# KiCad board PROC099A_PCB.kicad_pcb (continued)
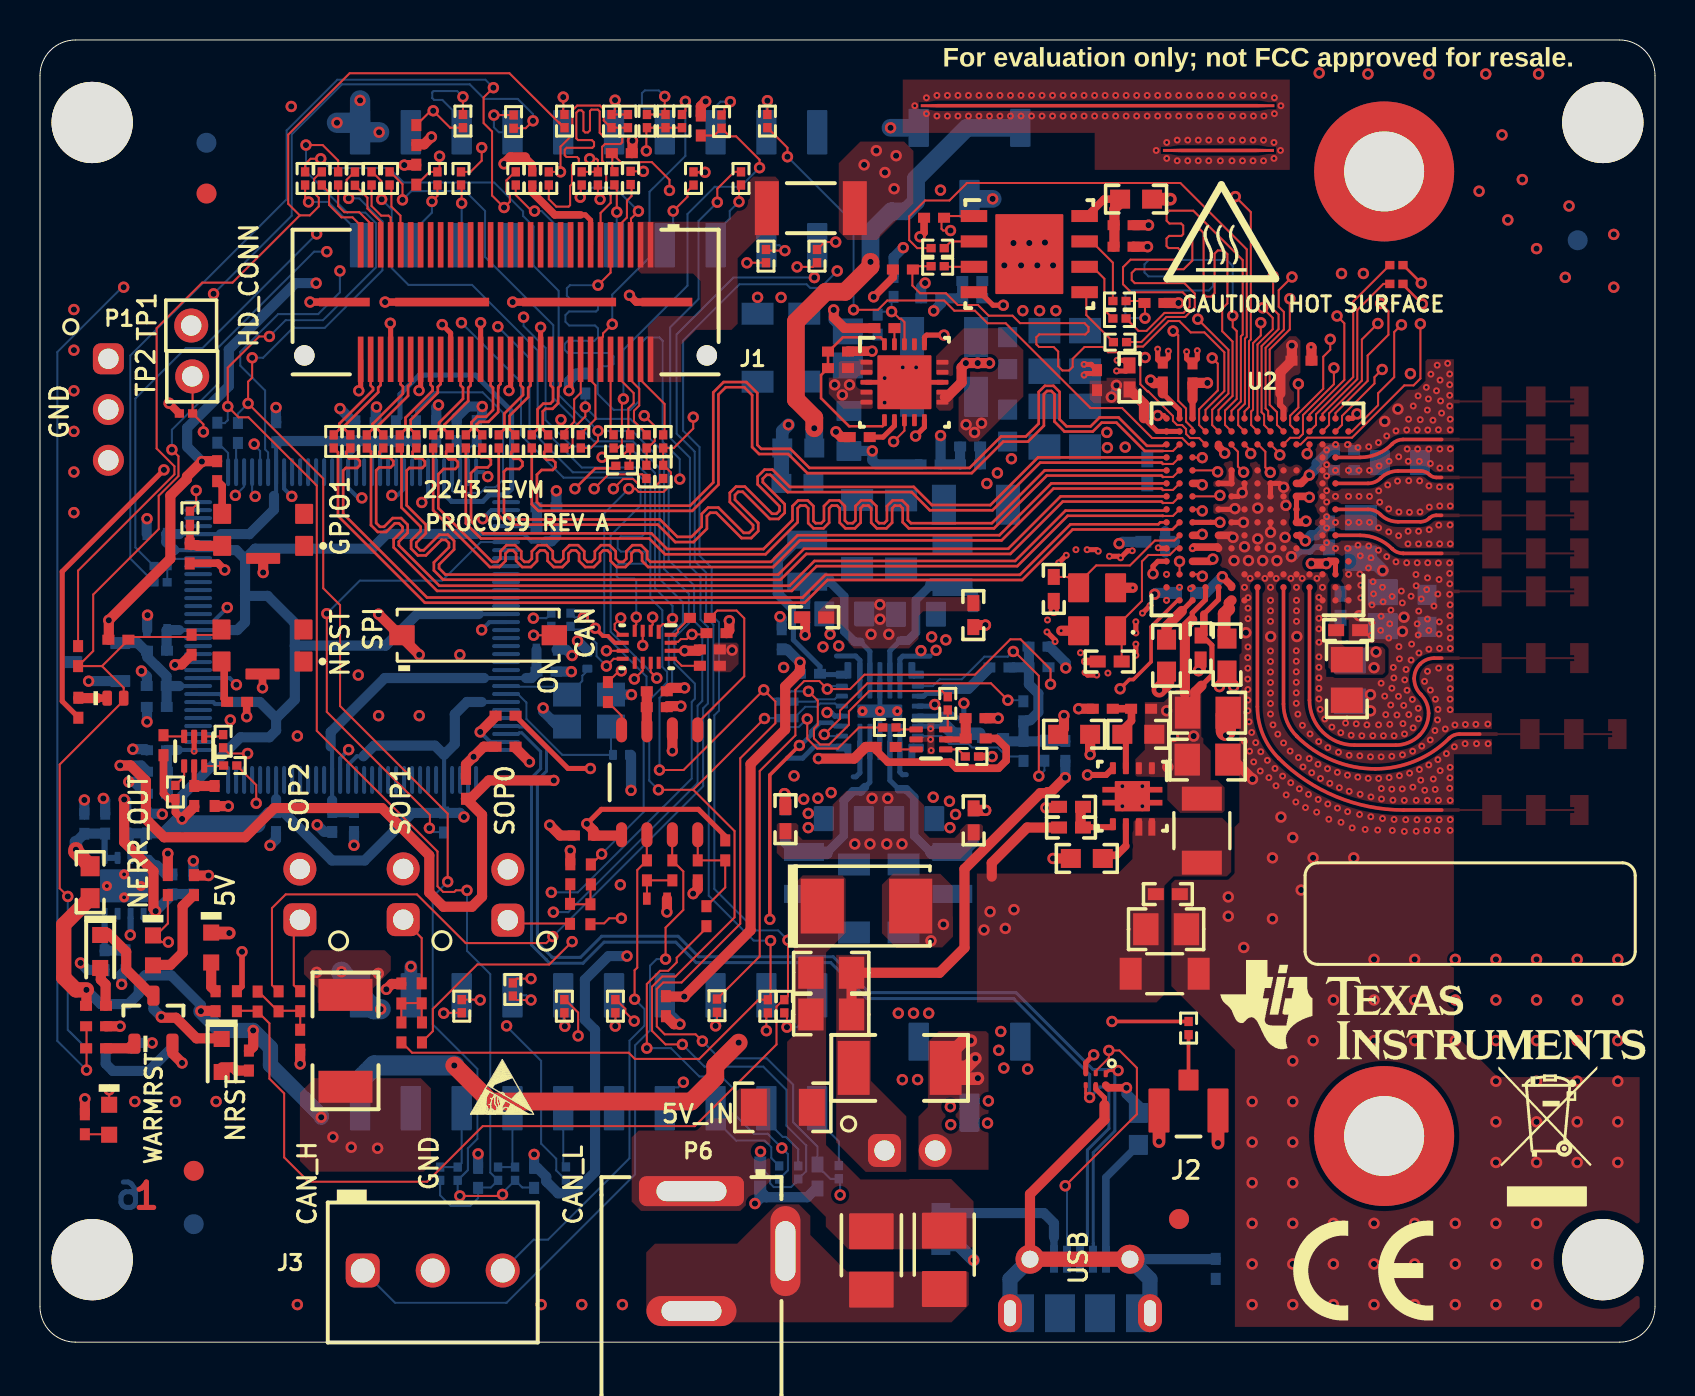
[diagram p0: board, top side]
## Routing (per net, layer and track width the routed paths; a pad name or vN(x,y) marks a point on that pad's centre or on a via; arc(x,y) is an arc through that point) (continued)
VBUS_1_DETECT: length 3.8
  BOTTOM w0.203: 6.89,29.63 U6.1
  BOTTOM w0.508: 6.33,27.44 6.33,28.54 6.34,28.55 6.34,29.62 6.35,29.63 6.89,29.63
VDDC_1: length 17.8
  BOTTOM w0.203: 14.61,27.12 14.61,29.73 14.54,29.8 ; 22.21,33.23 24.31,33.23
  BOTTOM w0.508: 14.61,27.12 14.61,26.52 14.62,26.52 15.71,26.52 ; 24.31,33.23 24.58,33.23 24.83,33.48 C64.2 24.83,34.64 ; 14.54,29.8 14.54,30.52 17.24,33.23 22.21,33.23
AR_1P3_RF1: length 3.4
  TOP w0.254: U2.G5 U2.J5
  TOP w0.381: U2.J5 63.44,42.32 v1(63.48,42.27) ; v1(63.32,41.08) 63.25,41.02 U2.G5
  BOTTOM w0.508: R131.2 47.02,43.92 C46.2
  vias: v1(46.32,45.91) v1(46.74,45.51) v1(47.09,45.98)
AR_1P3_RF2: length 5.3
  TOP w0.254: U2.C2 U2.D2
  TOP w0.381: U2.D2 64.45,39.07 v1(64.34,38.95)
  TOP w0.508: v1(63.58,38.96) 63.59,38.95 v1(64.34,38.95) ; 45.25,47.28 45.35,47.28 46.09,48.02 46.09,48.77 v1(46.31,48.99) v1(46.9,48.99) v1(47.49,48.99)
AR_1V2: length 12.5
  TOP w0.254: 56.99,45.57 55.88,45.57 55.21,46.23 ; 56.99,46.22 56.99,46.64 56.15,47.47
  TOP w0.305: 62.19,46.22 62.19,46.72 62.02,46.89 62.02,47.45 62.03,47.46
  TOP w0.381: U2.F13 58.08,40.37 v1(58.13,40.42) ; 58.94,44.92 58.94,44.81 59.25,44.5 v1(59.25,44.48)
  TOP w0.508: 62.61,49.86 62.61,49.11 62.03,48.53 62.03,47.46 ; 62.61,49.86 v1(62.6,49.86) ; 62.61,49.86 62.66,49.86 ; 56.15,47.47 C4.1 56.09,47.99 55.7,47.98 v1(55.54,48.13) ; 54.49,47.78 C6.1 55.21,46.94 55.21,46.23
  BOTTOM w0.508: v1(53.58,47.28) 53.84,47.53 v1(53.84,47.87)
  vias: v1(47.36,42.96) v1(47.88,43.49)
AR_1V4_APLL: length 2.1
  TOP w0.508: U2.A10 59.46,36.98 59.46,36.68
  TOP w0.635: 59.46,36.68 59.22,36.45 59.22,35.34 C13.1
AR_1V4_SYNTH: length 2.5
  TOP w0.254: 57.11,36.58 U2.A13
  TOP w0.508: C14.1 56.34,35.82 57.11,36.58
AR_1V8: length 21.2
  TOP w0.254: 58.21,36.42 58.94,37.15 U2.B11 ; 58.05,35.25 58.23,35.25 58.61,34.87 58.61,33.36 58.09,32.84 ; 57.63,36.14 57.63,36.48 58.29,37.15 U2.B12
  TOP w0.305: U2.F5 63.01,40.37
  TOP w0.381: U2.K13 58.05,42.97 v1(58.13,42.89) ; v1(63.48,43.38) 63.07,42.97 U2.K5 ; v1(58.66,39.18) 58.55,39.07 U2.D13 ; 58.05,35.25 58.21,35.41 58.21,36.42 ; 63.01,40.37 v1(63.28,40.09)
  TOP w0.508: v1(52.52,29.4) C91.2 ; 58.09,32.84 57.78,32.53 57.78,32.31 ; 57.63,36.14 57.26,35.77 57.26,32.44
  BOTTOM w0.508: 56.27,40.04 C53.1 56.76,40.04 ; 56.27,40.04 56.27,40.58 ; 56.27,40.04 56.27,39.51 ; v1(63.28,40.09) 63.57,40.38 63.84,40.38 64.43,40.96 C51.1 ; 64.66,44.65 64.53,44.65 63.85,43.97 63.85,43.75 v1(63.48,43.38)
  vias: v1(56.35,31.59) v1(56.41,28.78) v1(56.68,30.3) v1(57.7,30.32)
AR_ANAMUX: length 57.7
  TOP w0.102: U2.C13 58.04,38.42 v1(58.13,38.32)
  L3 w0.127: 3.4,44.13 7.95,39.59 12.39,39.59 12.82,39.16 56.11,39.16 56.95,38.32 v1(58.13,38.32)
AR_ANATEST1: length 97.1
  TOP w0.102: v1(22.02,17.12) 21.76,17.12 21.76,17.14 R104.2 ; v1(68.09,50.9) 67.73,50.54 67.73,48.28 66.92,47.48 66.92,46.88 65.61,45.57 65.44,45.57
  L3 w0.127: v1(68.09,50.9) 68.09,50.08 67.99,49.98 67.99,48.25 70.48,45.77 70.48,32.27 67.45,29.24 63.07,29.24 56.63,22.8 56.63,12.91 54.25,10.52 51.52,10.52 50.17,11.88 50.17,14.67 48.33,16.51 45.95,16.51 43.18,13.74 27.02,13.74 23.65,17.12 v1(22.02,17.12)
AR_ANATEST2: length 91
  TOP w0.102: 64.79,45.57 65.12,45.89 65.12,46.34 66.74,47.97 66.74,48.28 v1(67.13,48.67) ; R94.2 23.86,18.19 v1(24.56,18.19)
  L3 w0.127: v1(67.13,48.67) 70.06,45.74 70.06,32.49 67.26,29.68 62.95,29.68 56.26,23 56.26,12.99 54.2,10.92 51.79,10.92 50.57,12.14 50.57,14.94 47.97,17.54 36.5,17.54 33.15,14.18 27.08,14.18 25.19,16.08 25.19,17.55 v1(24.56,18.19)
AR_ANATEST3: length 93.2
  TOP w0.102: v1(66.91,50.97) 66.11,50.17 66.11,48.11 64.47,46.47 64.47,45.9 64.14,45.57 ; v1(26.91,15.32) 26.91,16.49 26.26,17.14 R105.2
  L3 w0.127: v1(26.91,15.32) 27.53,15.32 27.8,15.05 29.74,15.05 31.12,16.44 33.1,16.44 34.73,18.06 48.14,18.06 50.96,15.24 50.96,12.35 51.99,11.32 54.13,11.32 55.85,13.04 55.85,24.13 61.77,30.05 66.99,30.05 69.63,32.7 69.63,42.01 65.42,46.22 65.42,47.11 66.3,47.99 66.3,50.36 v1(66.91,50.97)
AR_ANATEST4: length 90.6
  TOP w0.102: 64.79,46.22 64.79,46.48 66.4,48.09 66.4,49.36 67.44,50.4 67.44,51.58 v1(67.05,51.97) ; v1(29.72,16.07) 29.27,16.51 29.27,16.68 28.81,17.14 R106.2
  L3 w0.127: v1(29.72,16.07) 30.42,16.77 32.81,16.77 34.65,18.61 48.32,18.61 51.31,15.62 51.31,12.55 52.14,11.72 54.09,11.72 55.44,13.07 55.44,24.37 61.67,30.6 66.84,30.6 69.16,32.92 69.16,42 65.09,46.06 65.09,47.31 65.92,48.14 65.92,50.84 v1(67.05,51.97)
AR_BSS_LOGGER: length 87.1
  TOP w0.102: 63.49,46.22 63.49,46.4 65.23,48.15 65.23,50.98 v1(64.87,51.34)
  TOP w0.127: 32.65,58.46 32.72,58.53 v1(33.26,58.53)
  L3 w0.127: v1(64.87,51.34) 63.5,52.7 61.4,52.7 60.59,53.51 60.59,55.12 56.14,59.57 47.74,59.57 45.02,56.84 38.77,56.84 36.31,59.3 35.63,59.3 34.87,58.53 v1(33.26,58.53) 31.04,58.53 30.54,58.03 28.61,58.03 28.44,58.2 26.72,58.2 26.55,58.03 21.33,58.03 19.15,55.86 14.97,55.86 14.56,55.45 v1(13.84,55.45)
  BOTTOM w0.102: v1(13.84,55.45) 8.12,49.73 7.29,49.73 4.77,47.21 4.77,39.76 R135.1
AR_CS1: length 71.1
  TOP w0.102: v1(29.72,33.18) 30.14,33.6 U13.10 ; v1(62.61,53.29) 61.95,52.63 61.95,51.8 62.21,51.55 62.21,50.66 61.3,49.75 61.3,46.72 61.42,46.59 61.42,46.33 U2.R7
  L3 w0.102: v1(62.61,53.29) 63.09,53.29 63.24,53.14 63.82,53.14 65.49,51.47 65.49,48.21 64.78,47.49 64.78,45.98 66.71,44.04 66.71,39.54 63.98,36.81 54.17,36.81 52.9,38.08 34.24,38.08 31.54,35.37 28.38,35.37 27.65,34.64 27.65,33.67 28.3,33.02 29.15,33.02 29.31,33.18 v1(29.72,33.18)
AR_GPIO_0: length 94.4
  TOP w0.102: v1(63.38,44.45) 63.49,44.56 63.49,44.92 ; R177.2 33.33,20.72 31.84,19.24 31.84,19 31.42,18.58 31.01,18.58 30.35,17.92 v1(30.35,14.71)
  L3 w0.127: v1(68.54,48.46) 70.93,46.06 70.93,32.08 67.64,28.79 63.22,28.79 57.03,22.6 57.03,12.83 54.23,10.03 50.45,10.03 48.26,7.83 40.38,7.83 38.5,9.72 v1(37.1,9.72)
  L4 w0.152: v1(68.54,48.46) 67.89,47.8 66.1,47.8 63.42,45.12 63.42,44.49 v1(63.38,44.45)
  BOTTOM w0.102: v1(30.35,14.71) 31.56,14.71 32.97,13.3 34.07,13.3 34.78,12.59 34.78,11.36 35.71,10.43 36.39,10.43 v1(37.1,9.72) 37.41,9.41 37.41,8.6 R164.1
AR_GPIO_1: length 95.5
  TOP w0.102: 61.54,44.92 62.01,44.45 v1(62.01,44.39) ; R72.2 7.81,41.89 v1(7.81,42.61) ; v1(24.66,61.11) 24.29,60.74 R9.2
  L3 w0.102: v1(7.81,42.61) 8.75,43.55 8.75,47.31 9.3,47.85 9.3,51.83 v1(8.68,52.45)
  L3 w0.127: v1(66.19,53.47) 65.66,53.99 65.25,53.99 55.6,63.64 26.63,63.64 24.66,61.67 v1(24.66,61.11)
  L4 w0.152: v1(62.01,44.39) 66.19,48.57 v1(66.19,53.47)
  BOTTOM w0.102: v1(8.68,52.45) 12.59,56.36 12.59,60.43 15.1,62.93 21.49,62.93 22.22,62.2 23.9,62.2 24.66,61.44 v1(24.66,61.11) 24.57,61.11 24.48,61.01
AR_GPIO_2: length 114.4
  TOP w0.102: 57.64,44.92 57.44,44.92 57.12,45.24 55.62,45.24 54.12,46.74 52.54,46.74 48.3,50.98 47.39,50.98 46.76,51.61 45.73,51.61 45.22,52.11 42.37,52.11 41.91,51.65 v1(40.69,51.65) ; 2.33,15.81 2.33,15.8 v1(2.33,13.61) ; R8.2 37.38,59.76 v1(37.38,59.31)
  L3 w0.127: v1(40.69,51.65) 39.82,50.78 32.83,50.78 30.09,53.52 17.37,53.52 15.08,51.23 11.63,51.23 9.65,53.21 4.62,53.21 v1(4.18,52.78)
  BOTTOM w0.102: v1(2.33,13.61) 0.87,15.08 0.87,49.54 4.11,52.78 v1(4.18,52.78) ; v1(37.38,59.31) 40.69,56 v1(40.69,51.65)
AR_HOSTINTR1: length 61.8
  TOP w0.102: v1(29.18,47.19) 29.1,47.12 29.1,44.93 28.9,44.74 R64.2 ; R13.2 33.72,60.37 R10.2 34.5,60.33 34.82,60.33 35.99,59.16 v1(35.99,58.76) ; 62.19,45.57 61.87,45.89 61.87,46.53 61.5,46.9 61.5,49.67 62.51,50.67 v1(62.51,52.2)
  L3 w0.127: v1(62.51,52.2) 61.49,52.2 59.81,53.88 59.81,55.32 55.96,59.17 47.84,59.17 45,56.33 38.41,56.33 v1(35.99,58.76)
  BOTTOM w0.102: v1(35.99,58.76) 35.03,57.81 33.74,57.81 32.38,56.44 32.38,52.86 29.18,49.66 v1(29.18,47.19)
AR_LVDS_VALID_N: length 49
  TOP w0.102: 56.17,44.59 56.66,44.59 56.99,44.92
  TOP w0.132: 56.17,44.59 55.25,44.59 53.84,46 53.1,46 52.65,45.56 51.24,45.56 50.74,46.06 50.74,47.43 50.58,47.59 50.36,47.59 50.21,47.43 50.21,45.85 49.41,45.05 48.17,45.05 46.6,43.48 38.38,43.48 37.42,44.44 35.96,44.44 35.62,44.78 35.62,47.38 35.22,47.78 34.3,47.78 33.93,47.41 33.93,42.9 32.62,41.59 24.93,41.59 24.59,41.92 R60.2
AR_LVDS_VALID_P: length 49
  TOP w0.132: 56.34,44.92 56.24,44.92 56.17,44.85 55.36,44.85 53.94,46.26 52.99,46.26 52.55,45.82 51.34,45.82 51,46.17 51,47.54 50.69,47.85 50.25,47.85 49.95,47.54 49.95,45.96 49.3,45.31 48.07,45.31 46.49,43.74 38.48,43.74 37.53,44.69 36.07,44.69 35.87,44.89 35.87,47.49 35.33,48.04 34.19,48.04 33.67,47.52 33.67,43.01 32.51,41.85 25.03,41.85 24.85,42.03 24.85,43.4 25.09,43.64 25.64,43.64 25.77,43.77 25.77,44.01 25.64,44.15 25.34,44.15 25.22,44.27 25.22,44.54 R61.2
AR_LVDSCSI0_N: length 49
  TOP w0.132: U2.G14 56.64,40.66 51.64,40.66 49.12,38.13 39.38,38.13 38.25,37 19.25,37 14.9,41.34 14.9,44.52 R48.2
AR_LVDSCSI0_P: length 49
  TOP w0.132: U2.G15 56.03,41.02 55.93,40.92 51.54,40.92 49.01,38.39 39.27,38.39 38.14,37.26 19.36,37.26 15.16,41.45 15.16,43.61 15.29,43.74 15.86,43.74 16,43.87 16,44.09 15.86,44.22 15.46,44.22 15.32,44.35 15.32,44.54 R49.2
AR_LVDSCSI1_N: length 49
  TOP w0.102: 56.16,41.34 56.66,41.34 U2.H14
  TOP w0.132: R50.2 16.37,44.74 16.55,44.55 16.55,40.88 16.89,40.54 17.31,40.54 17.75,40.97 17.95,40.97 18.13,40.79 18.13,40.6 17.69,40.16 17.69,39.76 19.86,37.59 37.6,37.59 38.84,38.83 48.88,38.83 51.4,41.35 56.15,41.35 56.16,41.34
AR_LVDSCSI1_P: length 49
  TOP w0.132: U2.H15 56.28,41.61 51.29,41.61 48.77,39.09 38.73,39.09 37.49,37.85 19.97,37.85 17.95,39.87 17.95,40.05 18.39,40.5 18.39,40.9 18.06,41.23 17.64,41.23 17.21,40.79 17,40.79 16.81,40.98 16.81,43.62 16.96,43.76 17.54,43.76 17.67,43.9 17.67,44.08 17.51,44.25 17.09,44.25 16.99,44.35 16.99,44.55 R51.2
AR_LVDSCSI2_N: length 49
  TOP w0.102: U2.K14 56.66,42.64 56.16,42.64
  TOP w0.132: 56.16,42.64 56.09,42.71 50.69,42.71 48.09,40.11 38,40.11 36.67,38.78 30.42,38.78 30.11,39.09 30.11,39.46 29.96,39.61 29.74,39.61 29.58,39.46 29.58,39.09 29.28,38.78 28.84,38.78 28.54,39.09 28.54,39.46 28.38,39.61 28.16,39.61 28.01,39.46 28.01,39.09 27.7,38.78 27.27,38.78 26.96,39.09 26.96,39.46 26.81,39.61 26.59,39.61 26.43,39.46 26.43,39.09 26.13,38.78 25.69,38.78 25.39,39.09 25.39,39.46 25.23,39.61 25.01,39.61 24.86,39.46 24.86,39.09 24.55,38.78 24.12,38.78 23.81,39.09 23.81,39.46 23.66,39.61 23.44,39.61 23.28,39.46 23.28,39.09 22.98,38.78 22.5,38.78 19.66,41.62 R54.2
AR_LVDSCSI2_P: length 49
  TOP w0.132: U2.K15 50.58,42.97 47.99,40.37 37.89,40.37 36.56,39.04 30.52,39.04 30.37,39.19 30.37,39.57 30.06,39.87 29.63,39.87 29.32,39.57 29.32,39.19 29.17,39.04 28.95,39.04 28.8,39.19 28.8,39.57 28.49,39.87 28.06,39.87 27.75,39.57 27.75,39.19 27.59,39.04 27.38,39.04 27.22,39.19 27.22,39.57 26.91,39.87 26.48,39.87 26.17,39.57 26.17,39.19 26.02,39.04 25.8,39.04 25.65,39.19 25.65,39.57 25.34,39.87 24.91,39.87 24.6,39.57 24.6,39.19 24.44,39.04 24.23,39.04 24.07,39.19 24.07,39.57 23.76,39.87 23.33,39.87 23.02,39.57 23.02,39.19 22.87,39.04 22.61,39.04 19.92,41.73 19.92,43.42 20.19,43.69 20.77,43.69 20.9,43.82 20.9,44.04 20.77,44.17 20.45,44.17 20.31,44.3 20.31,44.56 R55.2
AR_LVDSCSI3_N: length 49
  TOP w0.102: U2.L14 56.66,43.29 56.16,43.29
  TOP w0.132: 56.16,43.29 56.09,43.36 50.35,43.36 47.71,40.72 43.45,40.72 43.15,41.02 43.15,41.72 43.01,41.85 42.75,41.85 42.62,41.72 42.62,41 42.33,40.72 41.85,40.72 41.57,41 41.57,41.72 41.44,41.85 41.17,41.85 41.04,41.72 41.04,41 40.76,40.72 40.28,40.72 40,41 40,41.72 39.86,41.85 39.6,41.85 39.47,41.72 39.47,41 39.18,40.72 38.68,40.72 38.42,40.98 38.42,41.72 38.29,41.85 38.02,41.85 37.89,41.72 37.89,41.02 36.29,39.42 31.26,39.42 30.47,40.21 22.06,40.21 21.3,40.97 R56.2
AR_LVDSCSI3_P: length 49
  TOP w0.132: U2.L15 50.25,43.62 47.61,40.98 43.56,40.98 43.4,41.13 43.4,41.83 43.12,42.11 42.64,42.11 42.36,41.83 42.36,41.11 42.23,40.98 41.96,40.98 41.83,41.11 41.83,41.83 41.55,42.11 41.07,42.11 40.78,41.83 40.78,41.11 40.65,40.98 40.39,40.98 40.25,41.11 40.25,41.83 39.97,42.11 39.49,42.11 39.21,41.83 39.21,41.11 39.08,40.98 38.79,40.98 38.68,41.09 38.68,41.83 38.4,42.11 37.92,42.11 37.63,41.83 37.63,41.13 36.18,39.68 31.36,39.68 30.58,40.47 22.16,40.47 21.56,41.07 21.56,43.48 21.84,43.76 22.39,43.76 22.55,43.92 22.55,44.14 22.42,44.27 22.07,44.27 21.96,44.37 21.96,44.58 R57.2
AR_LVDSCSI_CLK_N: length 49
  TOP w0.102: 56.16,41.99 56.66,41.99 U2.J14
  TOP w0.132: R52.2 18.08,44.65 18.08,41.76 19.04,40.8 19.04,40.58 18.56,40.1 18.56,39.7 18.9,39.36 19.3,39.36 20.08,40.14 20.3,40.14 20.45,39.98 20.45,39.77 19.7,39.01 19.7,38.61 20.17,38.15 37.03,38.15 38.32,39.44 48.53,39.44 51.15,42.06 56.09,42.06 56.16,41.99
AR_LVDSCSI_CLK_P: length 49
  TOP w0.132: U2.J15 51.04,42.32 48.42,39.7 38.21,39.7 36.92,38.4 20.27,38.4 19.96,38.72 19.96,38.91 20.71,39.66 20.71,40.09 20.4,40.4 19.97,40.4 19.19,39.62 19.01,39.62 18.82,39.81 18.82,39.99 19.3,40.47 19.3,40.91 18.34,41.87 18.34,43.61 18.47,43.74 19.11,43.74 19.25,43.87 19.25,44.06 19.09,44.22 18.77,44.22 18.64,44.35 18.64,44.55 R53.2
AR_LVDSCSI_FRCLK_N: length 49
  TOP w0.102: 56.16,43.94 56.66,43.94 U2.M14
  TOP w0.132: 56.16,43.94 56.09,44.01 50.02,44.01 47.64,41.62 44.5,41.62 43.59,42.53 37.39,42.53 36.53,43.4 36.34,43.4 36.15,43.2 36.15,43.02 37.25,41.93 37.25,41.49 36.94,41.19 36.51,41.19 35.15,42.55 34.92,42.55 34.76,42.39 34.76,42.15 35.92,40.98 35.92,40.58 35.57,40.23 35.09,40.23 35.07,40.25 33.82,41.5 33.52,41.5 33.35,41.33 33.35,40.7 32.69,40.03 31.77,40.03 30.9,40.9 23.42,40.9 22.94,41.38 R58.2
AR_LVDSCSI_FRCLK_P: length 49
  TOP w0.132: U2.M15 49.92,44.27 47.53,41.88 44.61,41.88 43.7,42.79 37.5,42.79 36.63,43.65 36.24,43.65 35.89,43.31 35.89,42.91 36.99,41.82 36.99,41.6 36.83,41.45 36.61,41.45 35.25,42.81 34.81,42.81 34.5,42.5 34.5,42.04 35.66,40.88 35.66,40.69 35.46,40.49 35.2,40.49 33.93,41.76 33.41,41.76 33.09,41.44 33.09,40.8 32.58,40.29 31.88,40.29 31.01,41.16 23.53,41.16 23.2,41.48 23.2,43.55 23.34,43.69 23.97,43.69 24.13,43.85 24.13,44.04 23.97,44.2 23.7,44.2 23.56,44.33 23.56,44.53 R59.2
AR_MCUCLKOUT: length 62.8
  TOP w0.102: v1(60.55,44.46) 60.55,44.61 60.24,44.92 ; R25.1 21.53,58.55 22.09,59.11 v1(22.09,59.77)
  L3 w0.127: v1(65.09,53.47) 55.29,63.27 27.9,63.27 25.2,60.56 22.89,60.56 v1(22.09,59.77)
  L4 w0.127: v1(65.09,53.47) 65.65,52.91 65.65,48.78 62.31,45.44 61.53,45.44 v1(60.55,44.46)
AR_MISO1: length 73.3
  TOP w0.102: v1(62.93,47.94) 62.93,46.76 62.52,46.35 62.52,45.88 62.84,45.57 ; U13.2 30.54,35.8 30.64,35.9 v1(30.64,36.27)
  L3 w0.102: v1(30.64,36.27) 29.91,37.01 19.83,37.01 19.51,37.32 19.51,38.48 19.79,38.77 55.14,38.77 55.26,38.88 55.89,38.88 57.15,37.61 63.78,37.61 65.68,39.51 65.68,44.29 64.11,45.86 64.11,46.77 v1(62.93,47.94)
AR_MOSI1: length 87.6
  TOP w0.102: 60.89,46.22 60.89,49.92 61.65,50.68 61.65,51.25 v1(61.15,51.75) ; U13.5 29.01,35.39 28.74,35.66 28.74,35.93 v1(29.04,36.23)
  L3 w0.102: v1(61.15,51.75) 62.2,50.7 64.77,50.7 65.24,50.23 65.24,48.4 64.44,47.59 64.44,45.91 66.29,44.06 66.29,39.61 63.85,37.17 56.87,37.17 56.09,37.96 53.68,37.96 53.21,38.43 20.04,38.43 19.86,38.25 19.86,37.49 20.05,37.3 30.98,37.3 31.12,37.16 31.12,35.77 31.05,35.7 29.58,35.7 v1(29.04,36.23)
AR_MSS_LOGGER: length 98
  TOP w0.102: v1(64.53,50.17) 64.53,49.65 64.18,49.3 64.18,47.7 62.84,46.36 62.84,46.22 ; R26.1 23.76,58.55 23.33,58.13 23.33,57.57 23.5,57.4 23.5,57.06 v1(23.21,56.77) 22.61,57.37 22.61,60.57 22.19,60.99 22.19,62.27 v1(22.68,62.76)
  L3 w0.127: v1(64.53,50.17) 63.61,49.25 61.72,49.25 61.19,48.72 54.89,48.72 54.78,48.83 49.46,48.83 45.8,52.49 43.02,52.49 42.32,53.19 40.82,53.19 40.36,52.73 39.43,52.73 38.22,51.52 33.25,51.52 30.35,54.42 25.56,54.42 v1(23.21,56.77)
  BOTTOM w0.102: R136.1 4.51,39.21 4.51,49.36 12.34,57.18 12.34,60.63 14.87,63.16 22.28,63.16 v1(22.68,62.76)
AR_NERR_OUT: length 124.9
  TOP w0.102: 60.89,44.92 60.92,44.92 61.28,44.55 61.28,43.76 v1(61.53,43.52) ; v1(14.04,59.21) 13.53,59.21 13.26,58.93 R19.1 ; R7.2 27.55,44.74 27.91,45.1 v1(27.91,45.59) ; R91.1 6.39,20.94 5.78,20.33 6.09,20.02 v1(6.42,20.02)
  L3 w0.127: v1(27.91,45.59) 27.57,45.59 26.69,46.47 26.69,46.95 27.99,48.24 30.51,48.24 30.78,47.97 33.72,47.97 39.52,42.16 48.29,42.16 49.97,43.84 55.46,43.84 57,45.38 60.41,45.38 61.28,44.5 61.28,43.76 v1(61.53,43.52) ; v1(25.57,22.5) 22.27,22.5 21.73,21.97 20.4,21.97 19.85,22.52 8.93,22.52 v1(6.42,20.02)
  BOTTOM w0.102: v1(14.04,59.21) 14.51,58.74 17.46,58.74 18.18,58.02 22.72,58.02 24.16,56.57 24.16,56.34 24.69,55.82 24.69,53.85 25.94,52.6 25.94,47.4 27.07,46.27 27.24,46.27 v1(27.91,45.59) 29.61,45.59 31.21,43.99 31.21,38.68 32.45,37.44 32.45,35.97 31.73,35.24 31.73,33.97 32.75,32.95 32.75,32.19 32.6,32.03 32.6,28.2 26.9,22.5 v1(25.57,22.5)
AR_NERRIN: length 58.6
  TOP w0.102: v1(61.67,53.33) 61.67,51.69 61.94,51.42 61.94,50.68 61.09,49.83 61.09,46.53 61.22,46.4 61.22,45.89 61.54,45.57 ; v1(19.98,59.33) 19.98,58.66 R24.1 19.48,58.55 18.86,57.93 18.82,57.93
  L3 w0.127: v1(19.98,59.33) 20.59,59.33 20.8,59.13 22.49,59.13 23.38,60.02 25.17,60.02 28,62.86 53.42,62.86 61.67,54.61 v1(61.67,53.33)
AR_NRST: length 116
  TOP w0.102: 58.29,45.57 58.29,45.57 57.97,45.88 57.97,46.68 58.91,47.62 58.91,48.96 v1(58.62,49.24) ; 3.1,33.82 R77.2 2.66,34.58 2.66,37.4 5.94,40.68 5.94,42.35 6.93,43.34 6.93,44.33 v1(6.6,44.65) ; 3.1,33.82 4.19,32.74 D2.2 4.19,32.1 0.98,28.9 0.98,22.71 v1(1.39,22.3) ; 3.1,33.82 R74.1 4.56,35.28 7.48,35.28 7.58,35.38 8.81,35.38 SW2.4
  L3 w0.127: v1(14.34,54.56) 14.93,55.15 20.08,55.15 22.59,57.65 26.6,57.65 26.73,57.79 28.13,57.79 28.29,57.63 30.67,57.63 31.24,58.2 31.73,58.2 33.95,55.97 44.29,55.97 45.16,55.11 45.98,55.11 46.42,55.55 46.42,56.67 47.93,58.18 54.71,58.18 58.62,54.26 v1(58.62,49.24)
  BOTTOM w0.102: 2.33,14.69 1.39,15.63 v1(1.39,22.3) ; v1(6.6,44.65) 6.6,45.65 8.91,47.96 8.91,49.76 13.71,54.56 v1(14.34,54.56)
AR_NRST_MCU: length 51.8
  TOP w0.102: 12.99,56.38 9.63,53.01 8.11,53.01 5.83,50.73 5.83,44.71 6.72,43.82 6.72,43.42 1.91,38.6 R77.1 1.91,34.8 ; 12.99,56.38 13.49,56.38 13.94,56.82 13.94,57.26 13.71,57.5 13.71,58.2 14.06,58.55 R20.1 ; 12.99,56.38 12.41,56.95 12.41,60.41 15.49,63.49 23.48,63.49 25.95,61.01 ; 25.95,61.01 26.2,60.76 R2.2 25.98,61.01 25.95,61.01
AR_NRST_XDS: length 23.9
  TOP w0.254: 1.92,31.26 1.11,32.07 1.11,38.56 v1(6.2,43.64)
  L3 w0.254: v1(12.59,42.32) 11.89,41.62 7.84,41.62 6.2,43.25 v1(6.2,43.64)
  BOTTOM w0.203: v1(12.59,42.32) 12.21,42.7 U6.40
AR_OSC_CLKOUT: length 26.9
  TOP w0.18: v1(53.61,16.04) R111.1 ; U2.A14 56.9,37.12 55.57,35.79 55.57,34.04 54.68,33.15 54.48,33.15 v1(54.02,32.69)
  L3 w0.203: v1(54.02,32.69) 54.02,28.92 53.08,27.99 53.08,16.57 v1(53.61,16.04)
AR_PMIC_CLKOUT_SOP2: length 110.8
  TOP w0.102: v1(56.67,50.59) 56.72,50.59 56.93,50.38 56.93,47.1 57.32,46.71 57.32,46.06 57.64,45.73 57.64,45.57 ; v1(37.41,20.11) 37.41,17.32 R109.2 ; 9.85,16.58 10.84,16.58 11.47,15.95 11.47,13.18 12.21,12.45 12.21,9.25 13.43,8.03 19.36,8.03 22.14,10.81 32.75,10.81 36.83,14.89 36.83,16.79 37.18,17.13 37.23,17.13
  L3 w0.127: v1(39.87,53.59) 40.89,54.61 41.82,54.61 42.53,53.9 46.57,53.9 48.43,55.76 51.95,55.76 56.67,51.03 v1(56.67,50.59)
  BOTTOM w0.102: v1(37.41,20.11) 36.92,20.6 35.8,20.6 33.73,22.68 33.73,31.36 33.96,31.6 33.96,36.01 33.59,36.38 33.59,38.75 32.99,39.35 32.99,44.78 32.16,45.6 32.16,50.11 34.99,52.93 38.34,52.93 38.52,52.75 39.03,52.75 v1(39.87,53.59)
AR_QSPI_CS: length 31.7
  TOP w0.102: U1.1 45.3,56.34 R38.1 45.09,56.13 45.09,55.7 45.17,55.62 v1(45.54,55.62) ; v1(61.06,51) 61.06,50.37 60.67,49.98 60.67,46.66 60.57,46.56 60.57,45.88 60.89,45.57
  L3 w0.127: v1(45.54,55.62) 45.54,56.37 47.77,58.6 55.81,58.6 59.06,55.35 59.06,50.81 59.32,50.55 60.6,50.55 v1(61.06,51)
AR_QSPI_D0: length 29.3
  TOP w0.102: 58.94,46.22 58.94,46.64 59.64,47.34 59.64,50.06 59.12,50.58 59.12,51.71 59.39,51.97 59.39,54.44 59.2,54.62 58.9,54.62 58.74,54.46 58.74,52.48 58.57,52.31 58.32,52.31 58.2,52.44 58.2,55.5 58.02,55.67 57.79,55.67 57.63,55.51 57.63,54.11 57.2,53.68 54.78,53.68 54.6,53.5 54.6,53.14 54.75,52.99 57.23,52.99 57.76,52.46 57.76,51.77 57.27,51.29 56.34,51.29 55.08,50.04 54.35,50.04 R45.2
AR_QSPI_D1: length 30.8
  TOP w0.102: 60.24,45.57 59.92,45.88 59.92,46.61 60.26,46.95 60.26,50.21 60.35,50.3 60.35,54.68 57.03,58 46.36,58 45.48,57.12 44.27,57.12 43.47,56.33 43.47,55.14 43.87,54.74 R39.1
AR_QSPI_D2: length 31
  TOP w0.102: R42.1 43.8,53.83 43.63,53.66 43.63,52.87 44.02,52.48 45.31,52.48 45.9,51.89 46.91,51.89 47.45,51.36 48.64,51.36 49.01,50.98 52.24,50.98 52.44,50.78 52.44,50.57 52.29,50.42 49.98,50.42 49.83,50.28 49.83,49.92 49.97,49.79 50.7,49.79 50.92,49.56 50.92,48.83 51.13,48.62 51.47,48.62 51.65,48.79 51.65,49.2 52.24,49.79 53.15,49.79 53.42,49.53 54.58,49.53 54.86,49.81 55.17,49.81 56.44,51.09 56.98,51.09 57.55,50.52 58.24,50.52 59.23,49.52 59.23,47.59 58.29,46.65 58.29,46.22
AR_QSPI_D3: length 26
  TOP w0.102: v1(55.26,51.23) 55.26,51.99 55.16,52.09 R40.2 ; 59.59,45.57 59.59,45.57 59.27,45.89 59.27,46.61 59.85,47.19 59.85,50.58 59.65,50.78 v1(59.65,51.35)
  BOTTOM w0.102: v1(59.65,51.35) 59.65,53.84 59.35,54.14 55.46,54.14 55.24,53.92 55.24,53.53 55.44,53.32 58.49,53.32 58.67,53.15 58.67,52.83 58.46,52.62 54.5,52.62 54.28,52.41 54.28,51.44 54.5,51.23 v1(55.26,51.23)
AR_QSPI_SCLK: length 29.1
  TOP w0.102: 59.59,46.22 59.59,46.6 60.06,47.07 60.06,50.32 60.15,50.41 60.15,54.14 57.68,56.61 56.48,56.61 56.35,56.47 56.35,56.11 56.48,55.97 57.07,55.97 57.17,55.86 57.17,55.44 57.09,55.35 56.47,55.35 56.34,55.22 56.34,54.84 56.44,54.74 56.92,54.74 57.05,54.61 57.05,54.31 56.9,54.16 54.54,54.16 54.16,53.78 54.16,52.93 54.56,52.53 57.15,52.53 57.5,52.18 57.5,51.8 57.19,51.5 56.24,51.5 55.34,50.6 54.94,50.6 R44.2
AR_RESERVED: length 64
  TOP w0.102: v1(8.17,45.54) 8.17,45.92 C8.1 7.63,48.3 TP2.1
  TOP w0.254: U2.G13 58.55,41.02 58.55,41.02 v1(59.01,41.02)
  L3 w0.127: v1(59.01,41.02) 51.35,41.02 50.29,39.96 37.45,39.96 37.14,40.27 13.22,40.27 12.74,40.76 7.97,40.76 5.58,43.15 5.58,44.54 6.59,45.54 v1(8.17,45.54)
AR_RS232RX: length 140.8
  TOP w0.102: v1(10.61,49.25) 10.61,48.26 10.41,48.05 v1(10.41,46.96) 14.16,43.21 14.16,37.72 15.01,36.88 15.01,31.83 20.39,26.44 v1(20.39,23.04) ; v1(21,7.32) 23.06,7.32 v1(23.13,7.39) ; R33.1 15.72,58.54 15.34,58.16 15.34,57.32 v1(15.44,57.23) ; v1(69.04,50.95) 69.04,50.94 69.04,48.21 68.7,47.87 68.23,47.87 65.62,45.25 63.39,45.25 63.05,44.92 U2.N5
  L3 w0.127: v1(69.04,50.95) 68.5,51.49 68.5,52.06 66.19,54.37 65.51,54.37 55.87,64.01 21.16,64.01 17.76,60.6 17.76,60.08 15.44,57.75 v1(15.44,57.23)
  BOTTOM w0.102: v1(20.39,23.04) 19.64,22.29 19.64,15.9 21.88,13.67 21.88,10.17 21.4,9.7 21.4,8.61 R168.1 20.89,7.43 v1(21,7.32) ; v1(23.13,7.39) 23.13,7.47 R166.1 24.12,7.74 24.71,7.74 ; v1(10.61,49.25) 11.16,49.25 12.66,50.75 14.25,50.75 17.13,53.63 17.13,56.07 15.97,57.23 v1(15.44,57.23) ; v1(10.41,46.96) 9.9,46.46 R129.1 9.9,45.97
AR_RS232TX: length 141.5
  TOP w0.102: v1(21.36,22.61) 20.8,22.61 20.72,22.53 20.16,22.53 19.88,22.81 19.88,24.55 13.84,30.59 13.84,42.86 10.43,46.27 9.93,46.27 v1(9.39,46.81) 9.39,48.75 10.96,50.32 v1(11.47,50.32) ; v1(13.3,59.89) 14.14,59.89 14.91,59.12 R21.1 ; 62.19,44.92 62.52,45.25 62.97,45.25 63.17,45.44 63.17,46.38 64.71,47.93 v1(64.71,48.74)
  L3 w0.127: v1(13.3,59.89) 12.79,59.38 12.79,55.01 14.87,52.93 16.17,52.93 17.19,53.95 30.24,53.95 33.03,51.16 38.46,51.16 39.68,52.38 40.56,52.38 41.05,52.86 42.13,52.86 42.81,52.18 45.4,52.18 49.16,48.42 54.45,48.42 55.4,47.47 60.67,47.47 61.95,48.74 v1(64.71,48.74)
  BOTTOM w0.102: v1(9.39,46.81) 9.39,46.13 9.24,45.98 8.87,45.98 ; v1(13.3,59.89) 13.3,58.57 15.36,56.52 16.27,56.52 16.8,55.99 16.8,53.78 14.15,51.13 12.29,51.13 v1(11.47,50.32) ; R169.1 20.01,7.35 20.54,6.82 21.52,6.82 21.91,7.21 R173.1 21.91,7.74 22.55,7.74 R167.1 22.52,8.49 22.52,18.41 21.36,19.58 v1(21.36,22.61)
AR_SCL: length 191.7
  TOP w0.102: v1(30.93,27.64) 32.67,27.64 ; 32.67,27.64 32.67,27.64 v1(36.23,31.2) ; 32.67,27.64 34.74,25.57 34.74,21.25 31.78,18.29 31.12,18.29 30.61,17.79 30.61,15.57 31.29,14.9 v1(32.12,14.9) ; v1(10.38,29.45) 9.44,29.45 R185.1 ; v1(38.37,31.18) 38.37,30.19 38.87,29.7 39.9,29.7 40.96,30.76 R180.1 ; R22.1 16.61,58.55 17.07,58.1 17.07,57.19 v1(17.09,57.18)
  TOP w0.127: R197.1 68.18,53.89 v1(69.08,52.98)
  L3 w0.127: v1(36.04,9.54) 38.74,6.84 48.58,6.84 50.8,9.05 54.16,9.05 57.82,12.71 57.82,21.66 61.98,25.82 62.25,25.82 64.32,27.9 67.91,27.9 71.8,31.79 71.8,50.26 v1(69.08,52.98) ; v1(36.23,31.2) 26.43,31.2 26.21,30.99 23.93,30.99 23.44,31.48 21.55,31.48 20.51,30.43 14.74,30.43 13.76,29.45 v1(10.38,29.45)
  BOTTOM w0.102: v1(36.23,31.2) 36.25,31.22 R144.1 37.5,30.77 37.94,30.77 38.35,31.18 v1(38.37,31.18) ; v1(17.09,57.18) 17.6,56.67 17.6,53.73 18.43,52.9 21.61,52.9 24.89,49.61 24.89,45.97 27.1,43.76 30.01,43.76 30.53,43.24 30.53,37.22 31.12,36.62 31.12,33.78 31.36,33.55 31.36,33.01 30.47,32.12 30.47,28.1 v1(30.93,27.64) ; v1(36.04,9.54) 36.02,9.52 R171.1 36.02,8.77 36.52,8.27 36.52,7.94 36.7,7.76 37.56,7.76 37.92,8.12 R163.1 38.32,8.56 38.32,9.84 37.33,10.83 37.33,12.63 36.17,13.78 33.24,13.78 v1(32.12,14.9)
AR_SDA: length 190.5
  TOP w0.102: R182.2 45.11,32.58 41.47,32.58 40.46,31.56 40.46,30.89 39.47,29.9 39.01,29.9 38.71,30.21 38.71,30.69 38.9,30.88 38.9,32.1 v1(38.43,32.56) ; R23.1 17.52,58.55 18.13,57.94 v1(18.13,57.15) ; v1(30.98,28.63) 32.19,28.63 v1(36.2,32.64) 36.78,32.06 36.78,30.97 35.02,29.21 35.02,20.93 32.09,18 31.18,18 30.85,17.67 30.85,15.8 31.25,15.4 32.79,15.4 v1(33.13,15.06) ; R186.2 10.81,27.88 v1(10.81,26.96)